# Altium PCB CT310高端控制盒核心板电路V1.3.PcbDoc (part 9 of 10) (continued)
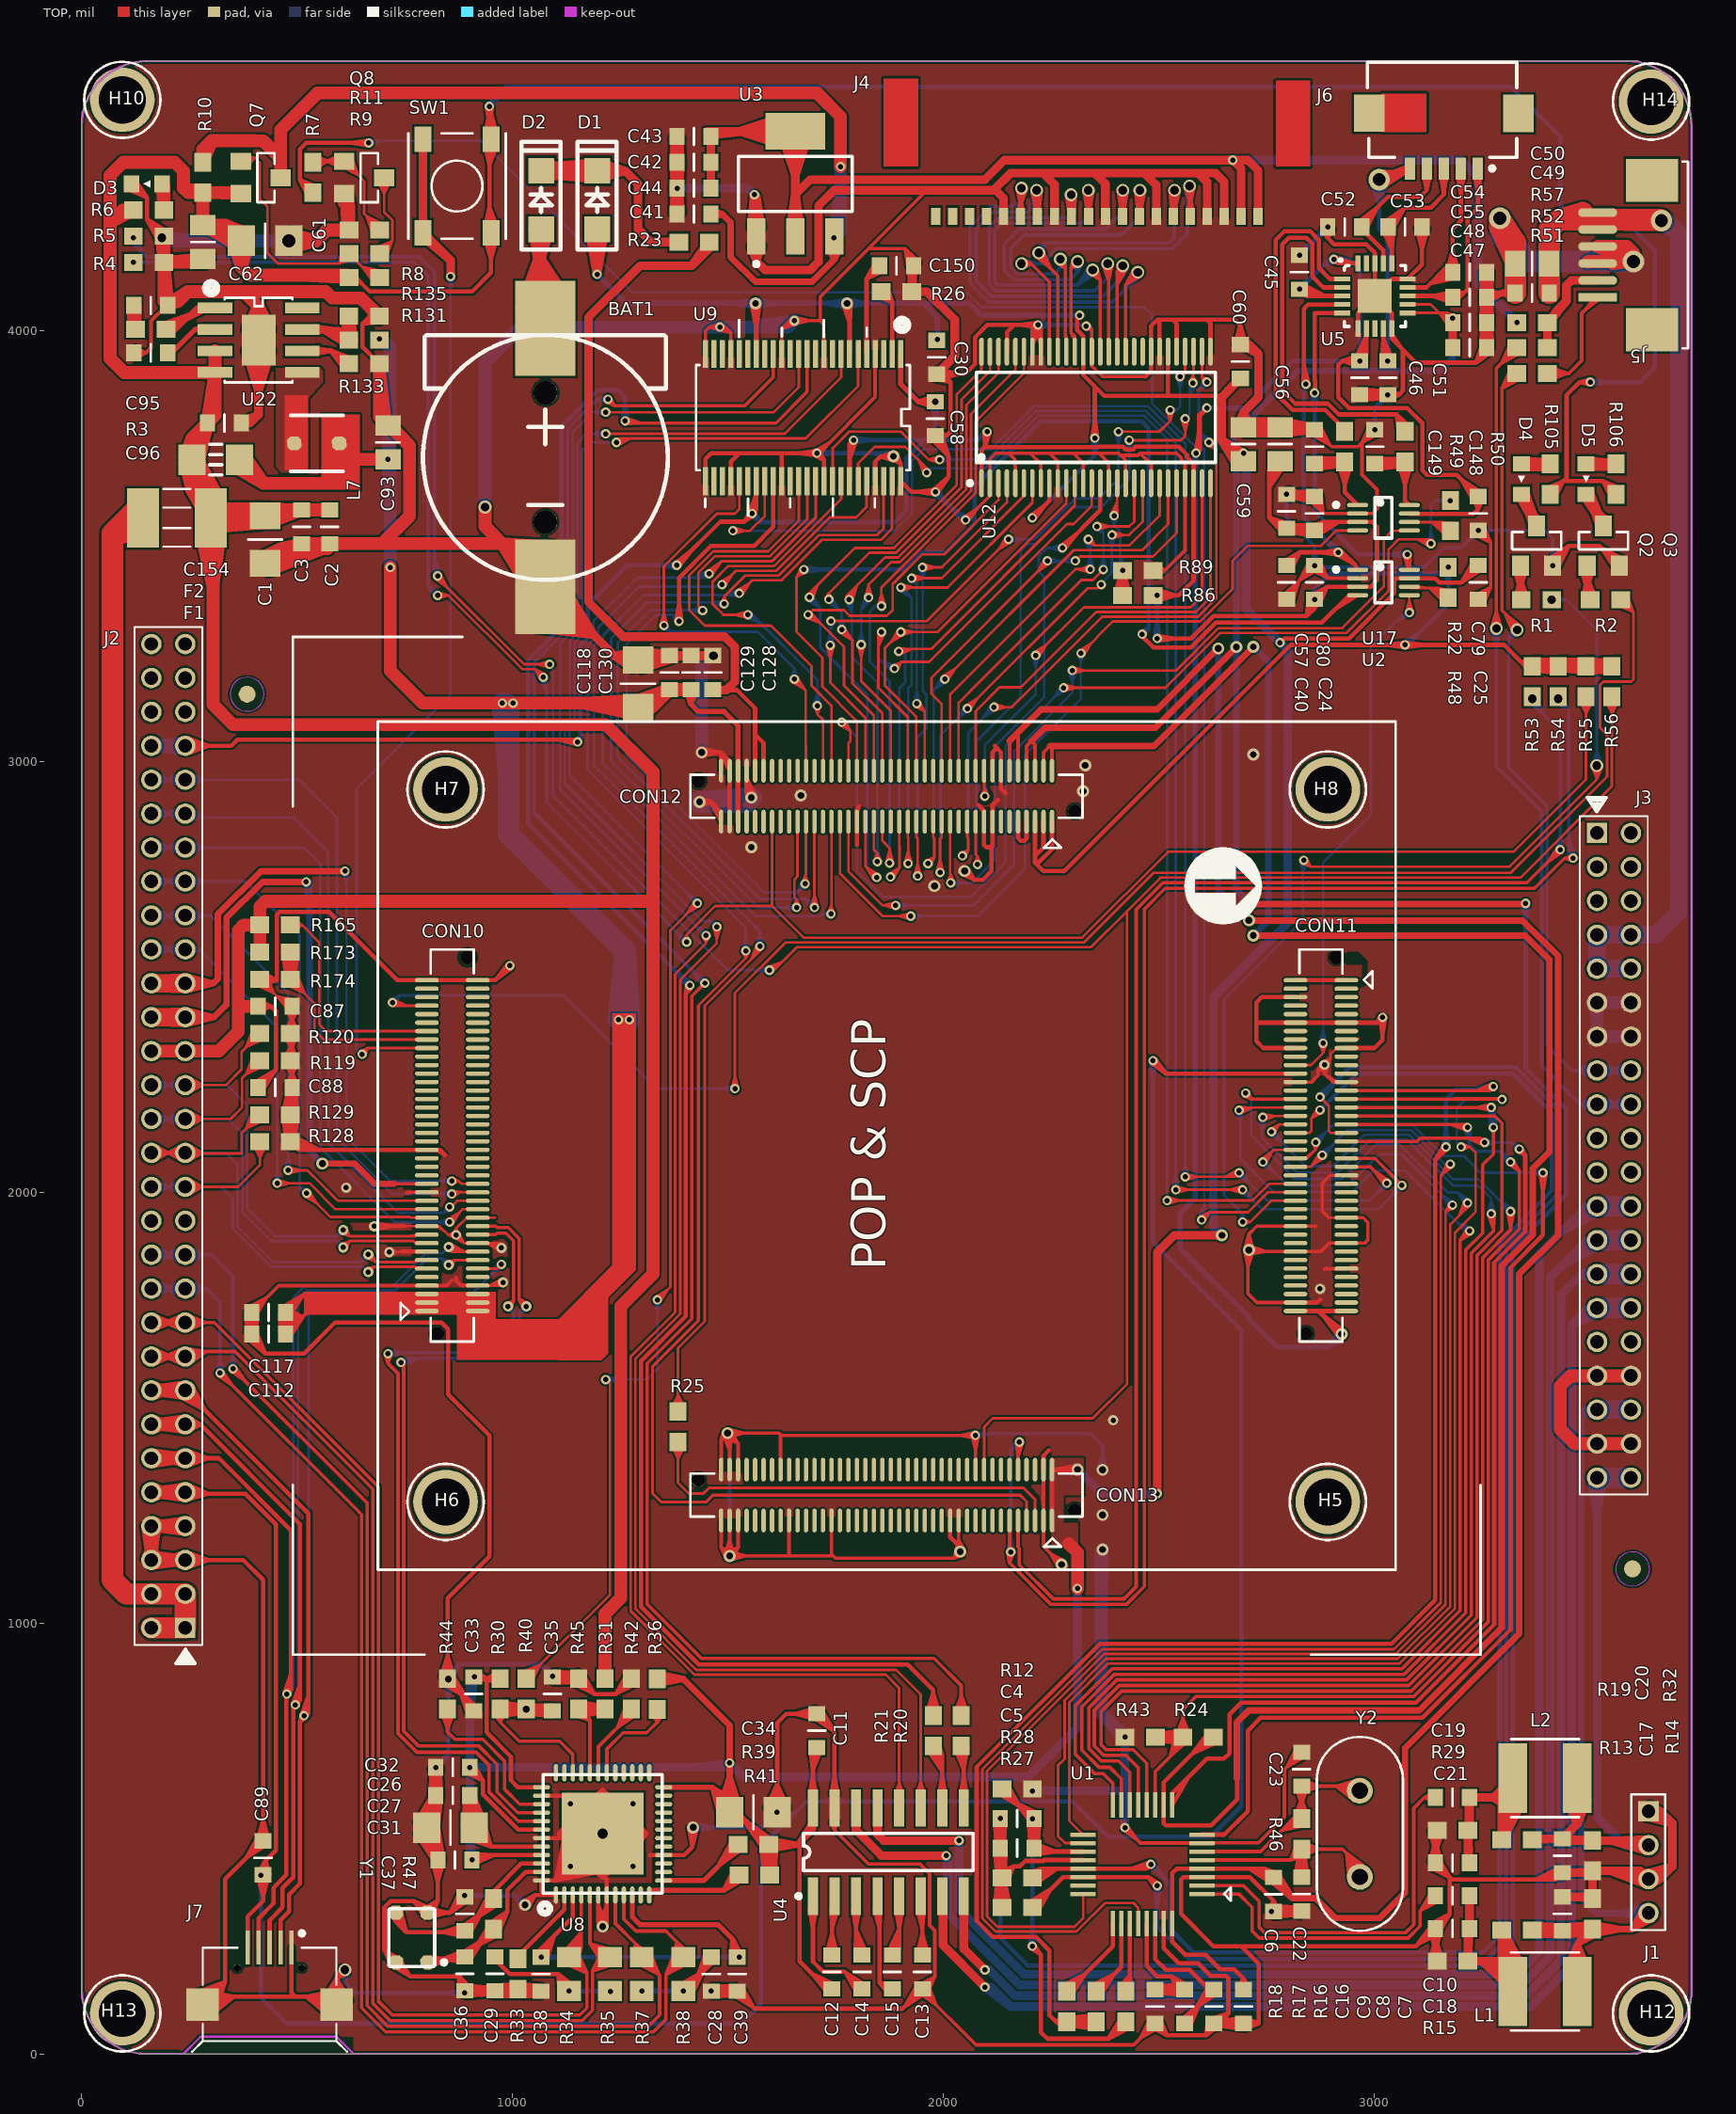
[diagram p0: TOP view]
## Nets (pads, with @x,y where several pads share a name; then routed paths per layer and width w, separated by ;. In a path a pad name is that pad's centre, name@x,y a point inside that pad or via, vN(x,y) a via of type N, cw(c..) or ccw(c..) an arc to the next point about the centre after c; other vN are vias at no path point) (continued)
XMMC2CMD: CON10.23 J2.45 J2.46 | length 2179.2
  TOP w6: v2@516.67,1991.28 545.34,1973.84 v2@527.9,2002.51 ; v2(521.61,1997.57) 576.93,1942.25 761.98,1942.25 763.66,1940.58 ; CON10.23@778.16,1940.58 763.66,1940.58 ; CON10.23@800.66,1940.58 763.66,1940.58
  BOTTOM w6: J2.46@161.39,2720.92 J2.45@240.13,2720.92 379.84,2720.92 505.61,2595.15 505.61,2013.57 ; J2.46@162.28,2712.34 203.01,2720.92 ; J2.46@162.28,2729.5 203.01,2720.92 ; J2.46@163.96,2706.53 203.01,2720.92 ; J2.46@163.96,2735.31 203.01,2720.92 ; J2.46@166.5,2700.94 203.01,2720.92 ; J2.46@166.5,2740.9 203.01,2720.92 ; J2.45@235.02,2700.94 198.51,2720.92 ; J2.45@235.02,2740.9 198.51,2720.92 ; J2.45@237.56,2706.53 198.51,2720.92 ; J2.45@237.56,2735.31 198.51,2720.92 ; J2.45@239.24,2712.34 198.51,2720.92 ; J2.45@239.24,2729.5 198.51,2720.92 ; J2.45@241.02,2712.34 281.75,2720.92 ; J2.45@241.02,2729.5 281.75,2720.92 ; J2.45@242.7,2706.53 281.75,2720.92 ; J2.45@242.7,2735.31 281.75,2720.92 ; J2.45@245.24,2700.94 281.75,2720.92 ; J2.45@245.24,2740.9 281.75,2720.92 ; v2@515.05,1993 505.61,2013.57 ; v2(521.61,1997.57) 505.61,2013.57 ; v2@526.18,2004.14 505.61,2013.57
XMMC2DATA0: CON10.28 J2.49 J2.50 | length 2436.8
  TOP w6: v2(853.61,1965.57) 856.9,1965.57 871.27,1979.94 CON10.28@918.77,1979.94 ; 873.27,1979.94 CON10.28@896.27,1979.94
  BOTTOM w6: J2.50@161.39,2878.4 J2.49@240.13,2878.4 ; J2.50@162.28,2869.82 203.01,2878.4 ; J2.50@162.28,2886.98 203.01,2878.4 ; J2.50@163.96,2864.01 203.01,2878.4 ; J2.50@163.96,2892.79 203.01,2878.4 ; J2.50@166.5,2858.42 203.01,2878.4 ; J2.50@166.5,2898.38 203.01,2878.4 ; J2.49@235.02,2858.42 198.51,2878.4 ; J2.49@235.02,2898.38 198.51,2878.4 ; J2.49@237.56,2864.01 198.51,2878.4 ; J2.49@237.56,2892.79 198.51,2878.4 ; J2.49@239.24,2869.82 198.51,2878.4 ; J2.49@239.24,2886.98 198.51,2878.4 ; J2.49@239.33,2869.82 283.55,2870 ; J2.49@239.76,2863.78 283.55,2870 ; J2.49@241.04,2857.8 283.55,2870 ; J2.49@242.59,2886.67 283.55,2870 ; J2.49@245.24,2892.1 283.55,2870 ; J2.49@248.66,2897.18 283.55,2870 ; v2@846.89,1969.91 840.18,1952.13 ; v2@857.95,1958.85 840.18,1952.13 ; J2.49@240.13,2878.4 248.53,2870 490.76,2870 571.61,2789.15 571.61,2114.57 734.05,1952.13 840.18,1952.13 ; J2.49@240.13,2878.4 283.55,2870 ; 840.18,1952.13 v2(853.61,1965.57) 840.18,1952.13
XMMC2DATA1: CON10.30 J2.51 J2.52 | length 2483.9
  TOP w6: v2@858.25,2003.56 880.61,2000.57 ; v2@861.74,1988.21 880.61,2000.57 ; CON10.30@896.27,1999.62 881.56,1999.62 ; CON10.30@918.77,1999.62 881.56,1999.62 ; 880.61,2000.57 881.56,1999.62 ; 880.61,2000.57 863.61,2000.57 v2(858.61,1995.57) 880.61,2000.57
  BOTTOM w6: J2.52@161.39,2957.14 J2.51@240.13,2957.14 503.62,2957.14 591.76,2869 591.76,2124.42 720.61,1995.57 v2(858.61,1995.57) ; J2.52@162.28,2948.56 203.01,2957.14 ; J2.52@162.28,2965.72 203.01,2957.14 ; J2.52@163.96,2942.75 203.01,2957.14 ; J2.52@163.96,2971.53 203.01,2957.14 ; J2.52@166.5,2937.16 203.01,2957.14 ; J2.52@166.5,2977.12 203.01,2957.14 ; J2.51@235.02,2937.16 198.51,2957.14 ; J2.51@235.02,2977.12 198.51,2957.14 ; J2.51@237.56,2942.75 198.51,2957.14 ; J2.51@237.56,2971.53 198.51,2957.14 ; J2.51@239.24,2948.56 198.51,2957.14 ; J2.51@239.24,2965.72 198.51,2957.14 ; J2.51@241.02,2948.56 281.75,2957.14 ; J2.51@241.02,2965.72 281.75,2957.14 ; J2.51@242.7,2942.75 281.75,2957.14 ; J2.51@242.7,2971.53 281.75,2957.14 ; J2.51@245.24,2937.16 281.75,2957.14 ; J2.51@245.24,2977.12 281.75,2957.14 ; v2@857.51,1987.65 829.61,1995.57 v2@857.51,2003.49
XMMC2DATA2: CON10.25 J2.41 J2.42 | length 1921.8
  TOP w6: v2(453.61,2020.57) 528.61,2020.57 588.93,1960.25 CON10.25@800.66,1960.25 ; v2@454.72,2012.65 482.61,2020.57 v2@454.72,2028.49 ; 755.16,1960.25 CON10.25@778.16,1960.25
  BOTTOM w6: J2.42@161.39,2563.44 J2.41@240.13,2563.44 272.32,2563.44 ; J2.42@162.28,2554.86 203.01,2563.44 ; J2.42@162.28,2572.02 203.01,2563.44 ; J2.42@163.96,2549.04 203.01,2563.44 ; J2.42@163.96,2577.83 203.01,2563.44 ; J2.42@166.5,2543.46 203.01,2563.44 ; J2.42@166.5,2583.42 203.01,2563.44 ; J2.41@235.02,2543.46 198.51,2563.44 ; J2.41@235.02,2583.42 198.51,2563.44 ; J2.41@237.56,2549.04 198.51,2563.44 ; J2.41@237.56,2577.83 198.51,2563.44 ; J2.41@239.24,2554.86 198.51,2563.44 ; J2.41@239.24,2572.02 198.51,2563.44 ; J2.41@241.28,2554.9 272.32,2563.44 ; J2.41@241.28,2571.98 272.32,2563.44 ; J2.41@243.45,2549.2 272.32,2563.44 ; J2.41@243.45,2577.68 272.32,2563.44 ; J2.41@246.74,2543.9 272.32,2563.44 ; J2.41@246.74,2582.97 272.32,2563.44 ; v2@445.73,2021.93 453.61,2044.19 ; v2(453.61,2020.57) 453.61,2044.19 ; v2@461.5,2021.93 453.61,2044.19 ; 272.32,2563.44 453.42,2382.34 453.42,2044.38 453.61,2044.19
XMMC2DATA3: CON10.27 J2.43 J2.44 | length 2042.9
  TOP w6: v2(478.61,2050.57) 523.61,2050.57 535.61,2038.57 536.07,2038.57 594.7,1979.94 CON10.27@800.66,1979.94 ; v2@479.72,2042.65 507.61,2050.57 v2@479.72,2058.49 ; 755.16,1979.94 CON10.27@778.16,1979.94
  BOTTOM w6: J2.44@161.39,2642.18 J2.43@240.13,2642.18 298.58,2642.18 345.76,2595 478.61,2462.15 v2(478.61,2050.57) ; J2.44@162.28,2633.6 203.01,2642.18 ; J2.44@162.28,2650.76 203.01,2642.18 ; J2.44@163.96,2627.78 203.01,2642.18 ; J2.44@163.96,2656.57 203.01,2642.18 ; J2.44@166.5,2622.2 203.01,2642.18 ; J2.44@166.5,2662.16 203.01,2642.18 ; J2.43@235.02,2622.2 198.51,2642.18 ; J2.43@235.02,2662.16 198.51,2642.18 ; J2.43@237.56,2627.78 198.51,2642.18 ; J2.43@237.56,2656.57 198.51,2642.18 ; J2.43@239.24,2633.6 198.51,2642.18 ; J2.43@239.24,2650.76 198.51,2642.18 ; J2.43@241.02,2633.6 281.75,2642.18 ; J2.43@241.02,2650.76 281.75,2642.18 ; J2.43@242.7,2627.78 281.75,2642.18 ; J2.43@242.7,2656.57 281.75,2642.18 ; J2.43@245.24,2622.2 281.75,2642.18 ; J2.43@245.24,2662.16 281.75,2642.18 ; v2@470.69,2051.67 478.61,2079.57 v2@486.54,2051.67
XNRESET_EXT: CON10.61
XNRSOUT: CON10.64
XNWRESET: CON10.62
XOM2: CON13.9 R53.2 | length 3764
  TOP w8: 2172.71,1186.31 CON13.9@2172.71,1215.31 ; CON13.9@2172.71,1237.81 2172.71,1176.34 2175.76,1173.28 2175.76,1135 2254.76,1056 2418.38,1056 2446.76,1084.38 2446.76,2656 2508.76,2718 3353.76,2718 v1(3430.76,2795) 3402.79,2767.03 ; v1@3425.39,2799.49 3402.79,2767.03 ; v1@3435.25,2789.63 3402.79,2767.03
  BOTTOM w8: v4@3357.72,3137.5 3392.58,3108.18 ; v4@3375.37,3150.36 3392.58,3108.18 ; v1@3423.8,2795.7 3430.76,2830 v1@3437.72,2795.7 ; v1(3430.76,2795) 3430.76,3070 3365.76,3135 v4(3365.76,3145) 3392.58,3108.18
XOM3: CON13.10 CON13.11 R54.2 | length 4576
  TOP w8: v1@2148.76,1164.79 2153.02,1139.36 ; 2153.02,1186.31 CON13.11@2153.02,1215.31 ; CON13.11@2153.02,1237.81 2153.02,1139.36 ; v1(2155.76,1165) 2153.02,1139.36 ; v1@2162.55,1163.32 2153.02,1139.36 ; v1@2168.76,1419.75 2172.71,1407.43 ; CON13.10@2172.71,1355.93 2172.71,1416.95 v1(2175.76,1420) ; CON13.10@2172.71,1378.43 2172.71,1407.43 ; v1@2181.86,1416.57 2172.71,1407.43 ; v1@3459.53,2768.11 3440.76,2775 ; v1@3459.53,2781.89 3440.76,2775 ; 2153.02,1139.36 2249.38,1043 2423.76,1043 2465.76,1085 2465.76,2656.62 2514.14,2705 3370.76,2705 3440.76,2775 ; 2172.71,1384.61 2182.64,1418.71 2172.71,1384.77 ; 2172.71,1384.61 2168.76,1419.91 2172.71,1384.77 ; 2172.71,1384.61 v1(2175.76,1420) ; 2172.71,1384.77 v1(2175.76,1420) ; 2172.71,1407.43 v1(2175.76,1420) ; 3440.76,2775 v1(3460.76,2775) 3440.76,2775
  BOTTOM w8: v1@2148.8,1165.7 2155.76,1200 v1@2162.72,1165.7 ; v1(2155.76,1165) 2155.76,1400 ; v1@2170.24,1424.3 2155.76,1400 ; v1(2175.76,1420) 2155.76,1400 ; v1@2180.06,1414.48 2155.76,1400 ; v4@3419.29,3136.11 3450.76,3120 ; v4(3425.76,3145) 3450.76,3120 ; v4@3434.65,3151.47 3450.76,3120 ; v1@3453.84,2773.98 3450.76,2818.73 ; v1@3467.44,2777.09 3450.76,2818.73 ; 3450.76,2818.73 v1(3460.76,2775) 3450.76,2785 3450.76,3120
XPWMTOUT1: CON13.5 R25.2 | length 1307.8
  TOP w6: R25.2@1367.34,1414.48 1383.61,1380.48 ; R25.2@1373.04,1416.65 1383.61,1380.48 ; R25.2@1378.94,1417.88 1383.61,1380.48 ; R25.2@1383.61,1418.17 1383.61,1380.48 ; R25.2@1383.61,1439.07 1383.61,1325.57 1408.61,1300.57 ; R25.2@1388.29,1417.88 1383.61,1380.48 ; R25.2@1394.19,1416.65 1383.61,1380.48 ; R25.2@1399.88,1414.48 1383.61,1380.48
  TOP w7: 1408.61,1300.57 1442.61,1300.57 1455.61,1313.57 2185.61,1313.57 2212.08,1287.11 CON13.5@2212.08,1237.81 ; CON13.5@2212.08,1260.31 2212.08,1286.31
XSPICLK0/I2C_4_SDA: CON11.73
XSPICSN0/I2C_4_SCL: CON11.76
XTAL1: C22.1 R46.2 U1.5 Y2.2 | length 3178.7
  TOP w8: U1.5@2599.36,449.84 2805.41,449.84 ; U1.5@2623.97,449.84 2652.89,449.84 ; C22.1@2815.07,410 2821.94,452.92 ; C22.1@2815.17,411.57 2826.74,452.12 ; R46.2@2815.33,470.41 2830.76,429.54 ; R46.2@2817.78,482.04 2805.41,449.84 ; C22.1@2819.32,412.89 2834.78,452.12 ; C22.1@2819.69,414.27 2839.58,452.92 ; C22.1@2823.08,410.11 2826.74,452.12 ; C22.1@2823.1,409.47 2821.94,452.92 ; R46.2@2823.1,472.55 2830.76,429.54 ; R46.2@2824.95,478.26 2805.41,449.84 ; C22.1@2827.05,410.66 2834.78,452.12 ; C22.1@2827.16,411.27 2839.58,452.92 ; R46.2@2831.44,467.54 2874.45,475.2 ; R46.2@2831.44,482.85 2874.45,475.2 ; R46.2@2833.58,459.77 2874.45,475.2 ; R46.2@2833.58,490.63 2874.45,475.2 ; C22.1@2834.36,411.27 2821.94,452.92 ; C22.1@2834.47,410.66 2826.74,452.12 ; R46.2@2835.31,467.03 2805.41,449.84 ; C22.1@2838.42,409.47 2839.58,452.92 ; R46.2@2838.42,472.55 2830.76,429.54 ; C22.1@2838.44,410.11 2834.78,452.12 ; R46.2@2838.49,459.58 2805.41,449.84 ; C22.1@2841.83,414.27 2821.94,452.92 ; C22.1@2842.2,412.89 2826.74,452.12 ; R46.2@2846.19,470.41 2830.76,429.54 ; C22.1@2846.35,411.57 2834.78,452.12 ; C22.1@2846.44,410 2839.58,452.92 ; Y2.2@2940.93,402.91 2935,465.76 ; Y2.2@2948.95,404.19 2935,465.76 ; Y2.2@2956.67,406.46 2935,465.76 ; Y2.2@2974.08,416.18 2935,465.76 ; Y2.2@2980.07,421.55 2935,465.76 ; Y2.2@2985.37,427.7 2935,465.76 ; 2805.41,449.84 R46.2@2830.76,475.2 ; 2805.41,449.84 2830.76,473.23 2830.76,429.54 ; C22.1@2817.92,414.81 2830.76,429.54 ; C22.1@2817.92,414.81 2830.76,429.54 ; C22.1@2817.92,414.81 2830.76,429.54 ; C22.1@2817.92,414.81 2830.76,429.54 ; C22.1@2817.92,414.81 2830.76,429.54 ; 2821.94,452.92 2828.79,410 2826.74,452.12 ; C22.1@2825.1,410.84 2830.76,429.54 ; C22.1@2825.1,410.84 2830.76,429.54 ; C22.1@2825.1,410.84 2830.76,429.54 ; C22.1@2825.1,410.84 2830.76,429.54 ; C22.1@2825.1,410.84 2830.76,429.54 ; C22.1@2830.76,410 R46.2@2830.76,475.2 ; C22.1@2830.76,410 2830.76,429.54 ; C22.1@2830.76,410 2830.76,429.54 ; C22.1@2830.76,410 2830.76,429.54 ; C22.1@2830.76,410 2830.76,429.54 ; 2830.76,429.54 C22.1@2843.6,414.81 ; 2830.76,429.54 C22.1@2836.41,410.84 ; 2830.76,429.54 C22.1@2843.6,414.81 ; 2830.76,429.54 C22.1@2836.41,410.84 ; 2830.76,429.54 C22.1@2843.6,414.81 ; 2830.76,429.54 C22.1@2836.41,410.84 ; 2830.76,429.54 C22.1@2843.6,414.81 ; 2830.76,429.54 C22.1@2836.41,410.84 ; 2830.76,429.54 C22.1@2843.6,414.81 ; 2830.76,429.54 C22.1@2836.41,410.84 ; 2830.76,451.72 2817.23,412.26 2830.76,451.72 ; 2830.76,451.72 2844.29,412.26 2830.76,451.72 ; 2830.76,451.72 2825.06,410.39 2830.76,451.72 ; 2830.76,451.72 2836.46,410.39 2830.76,451.72 ; R46.2@2830.76,475.2 2925.56,475.2 2965.76,435 Y2.2@2965.76,410.63 2935,465.76 ; 2834.78,452.12 2832.73,410 2839.58,452.92
XTAL2: C23.2 R46.1 U1.6 Y2.1 | length 1766.7
  TOP w8: U1.6@2599.36,469.53 2735.29,469.53 2811.82,546.06 R46.1@2830.76,546.06 C23.2@2830.76,621.26 2955.13,621.26 Y2.1@2965.76,610.63 2910.07,621.26 ; U1.6@2623.97,469.53 2652.89,469.53 ; R46.1@2815.33,550.85 2830.76,591.72 ; C23.2@2817.23,619 2830.76,579.54 ; R46.1@2821.22,556.55 2783.68,517.92 ; R46.1@2823.1,548.71 2830.76,591.72 ; C23.2@2825.06,620.87 2830.76,579.54 ; R46.1@2826.56,550.53 2783.68,517.92 ; R46.1@2830.76,544.09 2783.68,517.92 ; R46.1@2830.76,548.03 2830.76,591.72 ; C23.2@2832.73,621.26 2874.45,621.26 ; C23.2@2833.12,615.56 2874.45,621.26 ; C23.2@2833.12,626.96 2874.45,621.26 ; R46.1@2834.01,537.13 2783.68,517.92 ; C23.2@2834.98,607.73 2874.45,621.26 ; C23.2@2834.98,634.79 2874.45,621.26 ; R46.1@2836.3,529.42 2783.68,517.92 ; C23.2@2836.46,620.87 2830.76,579.54 ; R46.1@2838.42,548.71 2830.76,591.72 ; C23.2@2844.29,619 2830.76,579.54 ; R46.1@2846.19,550.85 2830.76,591.72 ; Y2.1@2955.16,586.89 2910.07,621.26 ; Y2.1@2959.62,593.71 2910.07,621.26 ; Y2.1@2963.03,601.01 2910.07,621.26 ; Y2.1@2964.65,636.61 2910.07,621.26 ; Y2.1@2966.29,628.62 2910.07,621.26 ; Y2.1@2966.76,620.58 2910.07,621.26
XUCTS1: CON12.65
XUCTSN0: CON10.46
XUCTSN2/I2C_3_SDA: CON12.51 U17.4 | length 2273.8
  TOP w6: 1759.32,2814.36 CON12.51@1759.32,2837.36 ; CON12.51@1759.32,2859.86 1759.32,2739.87 1858.61,2640.57 v2(1923.61,2640.57) ; v2@1922.51,2632.65 1894.61,2640.57 v2@1922.51,2648.49 ; v2@2313.81,3256.72 2342.48,3274.16 v2@2325.05,3245.49 ; v2(2318.76,3250.43) 2392.64,3324.31 2594.92,3324.31 2670.76,3400.15 2670.76,3465 2705.76,3500 2875.76,3500 2911.23,3535.47 U17.4@2960.72,3535.47 ; 2918.11,3535.47 U17.4@2941.04,3535.47
  BOTTOM w6: v2(1923.61,2640.57) 2078.61,2640.57 2188.61,2750.57 2188.61,3015.57 2318.61,3145.57 2318.61,3231.28 2318.76,3231.43 ; v2@1924.72,2632.65 1952.61,2640.57 v2@1924.72,2648.49 ; v2@2310.94,3248.74 2318.76,3231.43 ; v2@2326.58,3248.74 2318.76,3231.43 ; 2318.76,3231.43 v2(2318.76,3250.43) 2318.76,3231.43
XUHOSTDATA0: CON10.77
XUHOSTDATA1_EXT: CON10.9
XUHOSTSTROBE0: CON10.78
XUHOSTSTROBE1_EXT: CON10.10
XUOTGDM: CON10.16 J2.11 J2.12 J7.2 | length 5757.4
  TOP w7: v5@849.86,1864.15 887.22,1861.83 ; v5(851.35,1872.52) 887.22,1861.83 ; v5@854.69,1880.34 887.22,1861.83 ; 858.35,1861.83 CON10.16@918.77,1861.83 ; 870.27,1861.83 CON10.16@896.27,1861.83
  TOP w10: J2.12@160.37,1373.78 216.35,1371.48 ; J2.12@160.37,1390.9 216.35,1393.2 ; J2.12@160.87,1363.72 216.35,1371.48 ; J2.12@160.87,1400.95 216.35,1393.2 ; J2.12@161.33,1373.72 215.4,1377.65 ; J2.12@161.33,1390.96 215.4,1387.03 ; J2.12@162.82,1373.83 215.4,1387.03 ; J2.12@162.82,1390.84 215.4,1377.65 ; J2.12@162.99,1363.78 215.4,1377.65 ; J2.12@162.99,1400.89 215.4,1387.03 ; J2.12@163.71,1374.03 216.35,1393.2 ; J2.12@163.71,1390.64 216.35,1371.48 ; J2.12@166.16,1364.34 215.4,1387.03 ; J2.12@166.16,1400.34 215.4,1377.65 ; J2.12@167.99,1364.92 216.35,1393.2 ; J2.12@167.99,1399.75 216.35,1371.48 ; J2.11@236.9,1364 186.51,1382.34 ; J2.11@236.9,1400.68 186.51,1382.34 ; J2.11@239.44,1373.74 186.51,1382.34 ; J2.11@239.44,1390.93 186.51,1382.34 ; J2.11@240.82,1373.74 293.75,1382.34 ; J2.11@240.82,1390.93 293.75,1382.34 ; J2.11@243.36,1364 293.75,1382.34 ; J2.11@243.36,1400.68 293.75,1382.34 ; J7.2@410.17,246.65 410.17,314.41 ; J7.2@410.17,281.1 410.17,314.41 ; v1@470,836.69 485.76,879.67 ; v1@481.69,834.08 485.76,879.67 ; J2.12@161.39,1382.34 J2.11@240.13,1382.34 ; J2.12@161.39,1382.34 216.35,1371.48 ; J2.12@161.39,1382.34 186.51,1382.34 ; J2.12@161.39,1382.34 215.4,1377.65 ; J2.12@161.39,1382.34 186.51,1382.34 ; J2.12@161.39,1382.34 215.4,1387.03 ; J2.12@161.39,1382.34 186.51,1382.34 ; J2.12@161.39,1382.34 216.35,1393.2 ; J2.12@161.39,1382.34 186.51,1382.34 ; J2.12@162.87,1373.84 186.51,1382.34 ; J2.12@162.87,1373.84 186.51,1382.34 ; J2.12@162.87,1373.84 186.51,1382.34 ; J2.12@162.87,1373.84 186.51,1382.34 ; J2.12@162.87,1373.84 186.51,1382.34 ; J2.12@162.87,1390.83 186.51,1382.34 ; J2.12@162.87,1390.83 186.51,1382.34 ; J2.12@162.87,1390.83 186.51,1382.34 ; J2.12@162.87,1390.83 186.51,1382.34 ; J2.12@162.87,1390.83 186.51,1382.34 ; J2.12@168.29,1365.04 186.51,1382.34 ; J2.12@168.29,1365.04 186.51,1382.34 ; J2.12@168.29,1365.04 186.51,1382.34 ; J2.12@168.29,1365.04 186.51,1382.34 ; J2.12@168.29,1365.04 186.51,1382.34 ; J2.12@168.29,1399.63 186.51,1382.34 ; J2.12@168.29,1399.63 186.51,1382.34 ; J2.12@168.29,1399.63 186.51,1382.34 ; J2.12@168.29,1399.63 186.51,1382.34 ; J2.12@168.29,1399.63 186.51,1382.34 ; 186.51,1382.34 J2.11@240.13,1382.34 ; 215.01,1382.34 164.62,1400.68 215.01,1382.34 ; 215.01,1382.34 164.62,1364 215.01,1382.34 ; 215.01,1382.34 162.08,1390.93 215.01,1382.34 ; 215.01,1382.34 162.08,1373.74 215.01,1382.34 ; J2.11@240.13,1382.34 318.42,1382.34 485.76,1215 485.76,845 v1(475.76,835) ; 410.17,314.41 444.6,348.84 444.6,385.05 474.76,415.21 474.76,834 v1(475.76,835) ; v1(475.76,835) 485.76,879.67
  BOTTOM w6: v1@471.27,841.62 490.76,850 ; v1(475.76,835) 490.76,850 ; v1@482.38,830.51 490.76,850 ; v5(851.35,1872.52) 840.51,1861.68 840.34,1861.68 836.23,1857.57 797.61,1857.57 722.61,1782.57 518.33,1782.57 490.76,1755 490.76,850
XUOTGDP: CON10.14 J2.13 J2.14 J7.3 | length 5502.7
  TOP w7: v5@847.65,1838.57 864.79,1842.15 ; v5@858.22,1825.92 864.79,1842.15 ; 870.27,1842.15 CON10.14@896.27,1842.15 ; CON10.14@918.77,1842.15 864.79,1842.15 ; 864.79,1842.15 853.56,1830.92 v5(851.35,1830.92) 864.79,1842.15
  TOP w10: J2.14@161.39,1461.08 J2.13@240.13,1461.08 ; J2.14@162.08,1452.48 215.01,1461.08 ; J2.14@162.08,1469.67 215.01,1461.08 ; J2.14@164.62,1442.74 215.01,1461.08 ; J2.14@164.62,1479.42 215.01,1461.08 ; J2.13@233.53,1443.66 185.17,1471.94 ; J2.13@233.53,1478.49 185.17,1450.22 ; J2.13@235.36,1443.08 186.12,1465.77 ; J2.13@235.36,1479.08 186.12,1456.39 ; J2.13@236.9,1442.74 186.51,1461.08 ; J2.13@236.9,1479.42 186.51,1461.08 ; J2.13@237.81,1452.77 185.17,1471.94 ; J2.13@237.81,1469.38 185.17,1450.22 ; J2.13@238.53,1442.52 186.12,1456.39 ; J2.13@238.53,1479.63 186.12,1465.77 ; J2.13@238.7,1452.57 186.12,1465.77 ; J2.13@238.7,1469.58 186.12,1456.39 ; J2.13@239.44,1452.48 186.51,1461.08 ; J2.13@239.44,1469.67 186.51,1461.08 ; J2.13@240.13,1455.63 J2.13@240.13,1461.08 ; J2.13@240.19,1452.46 186.12,1456.39 ; J2.13@240.19,1469.7 186.12,1465.77 ; J2.13@240.65,1442.46 185.17,1450.22 ; J2.13@240.65,1479.69 185.17,1471.94 ; J2.13@241.15,1452.52 185.17,1450.22 ; J2.13@241.15,1469.64 185.17,1471.94 ; J2.13@241.21,1452.52 274.68,1461.08 ; J2.13@241.21,1469.63 274.68,1461.08 ; J2.13@245.15,1443.14 274.68,1461.08 ; J2.13@245.15,1479.01 274.68,1461.08 ; J7.3@435.76,246.65 435.76,310 ; J7.3@435.76,281.1 435.76,310 ; v1@490,811.69 505.76,854.69 ; v1@501.69,809.08 505.76,854.69 ; 185.17,1450.22 J2.13@240.13,1461.08 ; 185.17,1471.94 J2.13@240.13,1461.08 ; 186.12,1456.39 J2.13@240.13,1461.08 ; 186.12,1465.77 J2.13@240.13,1461.08 ; 186.51,1461.08 J2.13@240.13,1461.08 ; 215.01,1461.08 J2.13@233.23,1443.78 ; 215.01,1461.08 J2.13@233.23,1478.37 ; 215.01,1461.08 J2.13@238.65,1452.58 ; 215.01,1461.08 J2.13@238.65,1469.57 ; 215.01,1461.08 J2.13@240.13,1461.08 ; 215.01,1461.08 J2.13@233.23,1443.78 ; 215.01,1461.08 J2.13@233.23,1478.37 ; 215.01,1461.08 J2.13@238.65,1452.58 ; 215.01,1461.08 J2.13@238.65,1469.57 ; 215.01,1461.08 J2.13@240.13,1461.08 ; 215.01,1461.08 J2.13@233.23,1443.78 ; 215.01,1461.08 J2.13@233.23,1478.37 ; 215.01,1461.08 J2.13@238.65,1452.58 ; 215.01,1461.08 J2.13@238.65,1469.57 ; 215.01,1461.08 J2.13@240.13,1461.08 ; 215.01,1461.08 J2.13@233.23,1443.78 ; 215.01,1461.08 J2.13@233.23,1478.37 ; 215.01,1461.08 J2.13@238.65,1452.58 ; 215.01,1461.08 J2.13@238.65,1469.57 ; 215.01,1461.08 J2.13@240.13,1461.08 ; J2.13@240.13,1461.08 274.68,1461.08 ; 274.68,1461.08 505.76,1230 505.76,820 v1(495.76,810) ; 435.76,310 465.76,340 465.76,385 490.76,410 490.76,805 v1(495.76,810) ; v1(495.76,810) 505.76,854.69
  BOTTOM w6: v1@488.14,812.45 501.76,841.76 ; v1@503.74,809.5 501.76,841.76 ; v5@843.84,1825.96 835.61,1846.57 ; v5@856.27,1838.46 835.61,1846.57 ; 501.76,841.76 v1(495.76,810) 501.76,816 501.76,1750.44 522.89,1771.57 727.17,1771.57 802.17,1846.57 835.61,1846.57 ; 835.61,1846.57 851.26,1830.92 v5(851.35,1830.92) 835.61,1846.57
XUOTGID: CON10.12 J2.15 J2.16 J7.4 | length 5760.2
  TOP w6: CON10.12@918.77,1822.47 963.51,1822.47 ; CON10.12@941.27,1822.47 963.51,1822.47 ; v2(973.61,1832.57) 963.51,1822.47
  TOP w10: J2.16@161.39,1539.82 J2.15@240.13,1539.82 ; J2.16@162.08,1531.22 215.01,1539.82 ; J2.16@162.08,1548.41 215.01,1539.82 ; J2.16@164.62,1521.48 215.01,1539.82 ; J2.16@164.62,1558.16 215.01,1539.82 ; J2.15@229.04,1524.86 284.97,1494.98 ; J2.15@233.53,1522.4 185.17,1550.68 ; J2.15@233.53,1557.23 185.17,1528.96 ; J2.15@234.46,1533.32 284.97,1494.98 ; J2.15@235.36,1521.82 186.12,1544.51 ; J2.15@235.36,1557.82 186.12,1535.13 ; J2.15@236.9,1521.48 186.51,1539.82 ; J2.15@236.9,1558.16 186.51,1539.82 ; J2.15@237.81,1531.51 185.17,1550.68 ; J2.15@237.81,1548.12 185.17,1528.96 ; J2.15@238.53,1521.26 186.12,1535.13 ; J2.15@238.53,1558.37 186.12,1544.51 ; J2.15@238.7,1531.31 186.12,1544.51 ; J2.15@238.7,1548.32 186.12,1535.13 ; J2.15@239.44,1531.22 186.51,1539.82 ; J2.15@239.44,1548.41 186.51,1539.82 ; J2.15@240.19,1531.2 186.12,1535.13 ; J2.15@240.19,1548.44 186.12,1544.51 ; J2.15@240.65,1521.2 185.17,1528.96 ; J2.15@240.65,1558.43 185.17,1550.68 ; J2.15@241.15,1531.26 185.17,1528.96 ; J2.15@241.15,1548.38 185.17,1550.68 ; J2.15@246.63,1545.49 284.97,1494.98 ; J2.15@255.09,1550.91 284.97,1494.98 ; J7.4@461.35,246.65 461.35,310.59 ; J7.4@461.35,281.1 461.35,310.59 ; v1@510,786.69 525.76,829.7 ; v1@510.28,787.45 505.76,770 ; v1@520.13,780.89 505.76,770 ; v1@521.69,784.08 525.76,829.7 ; 185.17,1528.96 J2.15@240.13,1539.82 ; 185.17,1550.68 J2.15@240.13,1539.82 ; 186.12,1535.13 J2.15@240.13,1539.82 ; 186.12,1544.51 J2.15@240.13,1539.82 ; 215.01,1539.82 J2.15@233.23,1522.52 ; 215.01,1539.82 J2.15@233.23,1557.11 ; 215.01,1539.82 J2.15@238.65,1531.32 ; 215.01,1539.82 J2.15@238.65,1548.31 ; 215.01,1539.82 J2.15@240.13,1539.82 ; 215.01,1539.82 J2.15@233.23,1522.52 ; 215.01,1539.82 J2.15@233.23,1557.11 ; 215.01,1539.82 J2.15@238.65,1531.32 ; 215.01,1539.82 J2.15@238.65,1548.31 ; 215.01,1539.82 J2.15@240.13,1539.82 ; 215.01,1539.82 J2.15@233.23,1522.52 ; 215.01,1539.82 J2.15@233.23,1557.11 ; 215.01,1539.82 J2.15@238.65,1531.32 ; 215.01,1539.82 J2.15@238.65,1548.31 ; 215.01,1539.82 J2.15@240.13,1539.82 ; 215.01,1539.82 J2.15@233.23,1522.52 ; 215.01,1539.82 J2.15@233.23,1557.11 ; 215.01,1539.82 J2.15@238.65,1531.32 ; 215.01,1539.82 J2.15@238.65,1548.31 ; 215.01,1539.82 J2.15@240.13,1539.82 ; J2.15@240.13,1539.82 525.76,1254.19 525.76,1231.21 525.76,790 505.76,770 ; 461.35,310.59 480.76,330 480.76,370 505.76,395 505.76,770 ; 505.76,770 v1(515.76,785) 525.76,829.7
  BOTTOM w6: v1@508.47,788.29 526.33,818.17 ; v1@523.61,783.46 526.33,818.17 ; v2@967.32,1837.51 949.89,1808.84 ; v2@978.56,1826.28 949.89,1808.84 ; 526.33,818.17 v1(515.76,785) 526.33,785 526.33,1735.57 876.61,1735.57 v2(973.61,1832.57) 949.89,1808.84
XUOTGVBUS: C89.2 CON11.24 J2.9 J2.10 J7.1 | length 10223.8
  TOP w10: J2.10@161.39,1303.6 J2.9@240.13,1303.6 ; J2.10@162.08,1295 215.01,1303.6 ; J2.10@162.08,1312.19 215.01,1303.6 ; J2.10@164.62,1285.26 215.01,1303.6 ; J2.10@164.62,1321.94 215.01,1303.6 ; J2.9@233.53,1286.18 185.17,1314.46 ; J2.9@233.53,1321.01 185.17,1292.74 ; J2.9@235.36,1285.6 186.12,1308.29 ; J2.9@235.36,1321.6 186.12,1298.91 ; J2.9@236.9,1285.26 186.51,1303.6 ; J2.9@236.9,1321.94 186.51,1303.6 ; J2.9@237.81,1295.29 185.17,1314.46 ; J2.9@237.81,1311.9 185.17,1292.74 ; J2.9@238.53,1285.04 186.12,1298.91 ; J2.9@238.53,1322.15 186.12,1308.29 ; J2.9@238.7,1295.09 186.12,1308.29 ; J2.9@238.7,1312.1 186.12,1298.91 ; J2.9@239.44,1295 186.51,1303.6 ; J2.9@239.44,1312.19 186.51,1303.6 ; J2.9@240.19,1294.98 186.12,1298.91 ; J2.9@240.19,1312.22 186.12,1308.29 ; J2.9@240.24,1294.98 293.97,1300 ; J2.9@240.65,1284.98 185.17,1292.74 ; J2.9@240.65,1322.21 185.17,1314.46 ; J2.9@241.15,1295.04 185.17,1292.74 ; J2.9@241.15,1312.16 185.17,1314.46 ; J2.9@241.39,1312.13 293.97,1300 ; J2.9@242.11,1285.08 293.97,1300 ; J2.9@244.56,1321.69 293.97,1300 ; J7.1@384.58,246.65 384.58,318.82 420.76,355 C89.2@420.76,415.63 ; J7.1@384.58,281.1 384.58,316.02 ; C89.2@408.16,413.94 420.76,367.91 ; C89.2@409.84,414.05 419.58,372.22 ; C89.2@410.6,419.45 426.39,448.46 ; C89.2@421.76,415.12 419.58,372.22 ; C89.2@422.73,415.63 426.39,448.46 ; C89.2@433.36,413.94 420.76,367.91 ; C89.2@435.4,416.68 426.39,448.46 ; v1@2481.87,2300.43 2516.12,2275.21 ; v1(2485.76,2305) 2516.12,2275.21 ; v1@2485.76,2305.57 2516.12,2275.21 ; v1@2490.25,2308.98 2516.12,2275.21 ; 2758.9,2275.21 CON11.24@2793.9,2275.21 ; CON11.24@2816.4,2275.21 2516.12,2275.21 ; 185.17,1292.74 J2.9@240.13,1303.6 ; 185.17,1314.46 J2.9@240.13,1303.6 ; 186.12,1298.91 J2.9@240.13,1303.6 ; 186.12,1308.29 J2.9@240.13,1303.6 ; 186.51,1303.6 J2.9@240.13,1303.6 ; 215.01,1303.6 J2.9@233.23,1286.3 ; 215.01,1303.6 J2.9@233.23,1320.89 ; 215.01,1303.6 J2.9@238.65,1295.1 ; 215.01,1303.6 J2.9@238.65,1312.09 ; 215.01,1303.6 J2.9@240.13,1303.6 ; 215.01,1303.6 J2.9@233.23,1286.3 ; 215.01,1303.6 J2.9@233.23,1320.89 ; 215.01,1303.6 J2.9@238.65,1295.1 ; 215.01,1303.6 J2.9@238.65,1312.09 ; 215.01,1303.6 J2.9@240.13,1303.6 ; 215.01,1303.6 J2.9@233.23,1286.3 ; 215.01,1303.6 J2.9@233.23,1320.89 ; 215.01,1303.6 J2.9@238.65,1295.1 ; 215.01,1303.6 J2.9@238.65,1312.09 ; 215.01,1303.6 J2.9@240.13,1303.6 ; 215.01,1303.6 J2.9@233.23,1286.3 ; 215.01,1303.6 J2.9@233.23,1320.89 ; 215.01,1303.6 J2.9@238.65,1295.1 ; 215.01,1303.6 J2.9@238.65,1312.09 ; 215.01,1303.6 J2.9@240.13,1303.6 ; J2.9@240.13,1303.6 243.73,1300 379.55,1300 450.45,1229.1 450.45,472.51 426.39,448.46 ; J2.9@240.13,1303.6 293.97,1300 ; C89.2@410.22,417.3 426.39,448.46 ; C89.2@410.22,417.3 426.39,448.46 ; C89.2@410.22,417.3 426.39,448.46 ; v1(415.76,415) 419.58,372.22 ; v1(415.76,415) 420.76,373.38 ; v1(415.76,415) 426.39,448.46 ; v1(415.76,415) 420.76,373.3 ; v1(415.76,415) 426.39,448.46 ; v1(415.76,415) 426.39,448.46 ; 420.76,367.91 C89.2@420.76,415.63 ; 420.76,373.3 421.75,415.29 420.76,373.38 ; 420.76,373.3 409.87,413.86 420.76,373.38 ; C89.2@420.76,415.63 426.39,415.63 426.39,448.46 ; C89.2@421.61,413.68 426.39,448.46 ; C89.2@421.61,413.68 426.39,448.46 ; C89.2@421.61,413.68 426.39,448.46
  BOTTOM w10: v1@409.78,414.56 415.76,374 v1@421.74,414.56 ; v1(415.76,415) 415.76,130 475.76,70 1530.76,70 1575.76,115 1575.76,480 1681.19,585.43 2300.33,585.43 2381.76,504 2619.76,504 2690.76,575 2690.76,1680 2485.76,1885 v1(2485.76,2305) ; v1@2479.78,2304.56 2485.76,2264 v1@2491.74,2304.56
XURTS1: CON12.62
XURTSN0: CON10.47
XURTSN2/I2C_3_SCL: CON12.49 U17.5 | length 2372.2
  TOP w6: 1779.01,2814.36 CON12.49@1779.01,2837.36 ; CON12.49@1779.01,2859.86 1779.01,2745.17 1858.61,2665.57 v2(1888.61,2665.57) 1859.61,2665.57 ; v2@1887.51,2657.65 1859.61,2665.57 ; v2@1887.51,2673.49 1859.61,2665.57 ; v2(2298.61,3210.57) 2539.16,3210.57 2637.59,3309 2924.76,3309 3021.76,3406 3021.76,3516 3040.76,3535 ; v2@2299.72,3202.65 2327.61,3210.57 v2@2299.72,3218.49 ; 3040.76,3535 3055.76,3535 3061.11,3535.47 3040.76,3535
  BOTTOM w6: v2(1888.61,2665.57) 2068.61,2665.57 2163.61,2760.57 2163.61,3023.57 2298.61,3158.57 v2(2298.61,3210.57) 2298.61,3181.57 ; v2@1889.72,2657.65 1917.61,2665.57 v2@1889.72,2673.49 ; v2@2290.69,3209.47 2298.61,3181.57 ; v2@2306.54,3209.47 2298.61,3181.57
XURXD0: CON10.44
XURXD1: CON12.60 U9.29 | length 1287.8
  TOP w6: v1@1342.84,3316.1 1350.76,3344 v1@1358.68,3316.1 ; v1(1350.76,3315) 1350.76,3451.87 1473.54,3574.65 1515.41,3574.65 1525.97,3585.21 U9.29@1525.97,3650 ; 1525.97,3599.5 U9.29@1525.97,3623.5 ; v2@1648.67,3184.28 1677.34,3166.84 v2@1659.9,3195.51 ; v2(1653.61,3190.57) 1679.95,3164.24 1679.95,3037.28 1680.58,3036.65 CON12.60@1680.58,2977.98 ; CON12.60@1680.58,3000.48 1680.58,3023.48
  BOTTOM w6: v1@1346.32,3308.34 1365.19,3300.57 ; v1(1350.76,3315) 1365.19,3300.57 ; v1@1357.42,3319.44 1365.19,3300.57 ; v2@1645.72,3191.85 1653.61,3215.57 ; v2(1653.61,3190.57) 1653.61,3215.57 ; v2@1661.51,3191.85 1653.61,3215.57 ; 1365.19,3300.57 1568.61,3300.57 1653.61,3215.57
XURXD2/UART_AUDIO_RXD: CON12.54 U9.36 | length 1125.4
  TOP w6: 1663.77,3599.5 U9.36@1663.77,3623.5 ; U9.36@1663.77,3650 1663.77,3558.01 1592.76,3487 1465.33,3487 1409.76,3431.43 1409.76,3351 1445.76,3315 1599.18,3315 1693.61,3220.57 1693.61,3175.57 1739.64,3129.54 CON12.54@1739.64,2977.98 ; CON12.54@1739.64,3000.48 1739.64,3023.48
XUTXD0: CON10.45
XUTXD1: CON12.63
XUTXD2/UART_AUDIO_TXD: CON12.56 U9.41 | length 1322.2
  TOP w6: v1@1544.66,3332.08 1516.76,3340 v1@1544.66,3347.92 ; v1(1545.76,3340) 1488.89,3340 1463.63,3365.26 1463.63,3416 1500.63,3453 1606.84,3453 1762.19,3608.35 ; v2@1699.15,3127.24 1706.97,3109.93 ; v2@1714.79,3127.24 1706.97,3109.93 ; CON12.56@1719.95,2977.98 1719.95,3096.95 1706.97,3109.93 ; CON12.56@1719.95,3000.48 1719.95,3023.48 ; U9.41@1762.19,3623.5 1762.19,3608.35 ; U9.41@1762.19,3650 1762.19,3608.35 ; 1706.97,3109.93 v2(1706.97,3128.93) 1706.97,3109.93
  BOTTOM w6: v1@1542.11,3332.88 1575.53,3320.23 ; v1(1545.76,3340) 1575.53,3320.23 ; v1@1545.76,3341.47 1554.29,3341.47 1706.97,3188.79 v2(1706.97,3128.93) ; v1@1550.9,3346.13 1575.53,3320.23 ; v2@1699.05,3130.03 1706.97,3157.93 v2@1714.89,3130.03
XVSYS_OE: CON13.39
XVVSYNC_LDI: CON13.34

## Text inside footprints (layer, text, board x,y; h text height)
CON11: PIN_NUMBER "51" at 3014.52,1999.62 h25 r270; PIN_NUMBER "40" at 2696.4,2117.73 h25 r270; PIN_NUMBER "24" at 2696.4,2275.21 h25 r270; PIN_NUMBER "49" at 3014.52,2019.31 h25 r270; PIN_NUMBER "16" at 2696.4,2353.95 h25 r270; PIN_NUMBER "8" at 2706.4,2432.69 h25 r270; PIN_NUMBER "10" at 2696.4,2413.01 h25 r270; PIN_NUMBER "30" at 2696.4,2216.17 h25 r270; PIN_NUMBER "68" at 2696.4,1842.15 h25 r270; PIN_NUMBER "29" at 3014.52,2216.17 h25 r270; PIN_NUMBER "14" at 2696.4,2373.64 h25 r270; PIN_NUMBER "32" at 2696.4,2196.47 h25 r270; PIN_NUMBER "37" at 3014.52,2137.42 h25 r270; PIN_NUMBER "31" at 3014.52,2196.47 h25 r270; PIN_NUMBER "38" at 2696.4,2137.42 h25 r270; PIN_NUMBER "15" at 3014.52,2353.95 h25 r270; PIN_NUMBER "72" at 2696.4,1802.78 h25 r270; PIN_NUMBER "34" at 2696.4,2176.79 h25 r270; PIN_NUMBER "7" at 3024.52,2432.69 h25 r270; PIN_NUMBER "33" at 3014.52,2176.79 h25 r270; PIN_NUMBER "36" at 2696.4,2157.1 h25 r270; PIN_NUMBER "35" at 3014.52,2157.1 h25 r270; PIN_NUMBER "3" at 3024.52,2472.06 h25 r270; PIN_NUMBER "4" at 2706.4,2472.06 h25 r270; PIN_NUMBER "9" at 3024.52,2413.01 h25 r270; PIN_NUMBER "19" at 3014.52,2314.58 h25 r270; PIN_NUMBER "13" at 3014.52,2373.64 h25 r270; PIN_NUMBER "20" at 2696.4,2314.58 h25 r270; PIN_NUMBER "71" at 3014.52,1802.78 h25 r270; PIN_NUMBER "74" at 2696.4,1783.1 h25 r270; PIN_NUMBER "60" at 2696.4,1920.88 h25 r270; PIN_NUMBER "47" at 3014.52,2038.99 h25 r270; PIN_NUMBER "57" at 3014.52,1940.58 h25 r270; PIN_NUMBER "11" at 3014.52,2393.32 h25 r270; PIN_NUMBER "6" at 2706.4,2452.38 h25 r270; PIN_NUMBER "12" at 2696.4,2393.32 h25 r270; PIN_NUMBER "18" at 2696.4,2334.28 h25 r270; PIN_NUMBER "17" at 3014.52,2334.28 h25 r270; PIN_NUMBER "25" at 3014.52,2255.54 h25 r270; PIN_NUMBER "26" at 2696.4,2255.54 h25 r270; PIN_NUMBER "69" at 3014.52,1822.47 h25 r270; PIN_NUMBER "63" at 3014.52,1881.51 h25 r270; PIN_NUMBER "66" at 2696.4,1861.83 h25 r270; PIN_NUMBER "78" at 2696.4,1743.72 h25 r270; PIN_NUMBER "46" at 2696.4,2058.69 h25 r270; PIN_NUMBER "39" at 3014.52,2117.73 h25 r270; PIN_NUMBER "28" at 2696.4,2235.84 h25 r270; PIN_NUMBER "44" at 2696.4,2078.36 h25 r270; PIN_NUMBER "73" at 3014.52,1783.1 h25 r270; PIN_NUMBER "42" at 2696.4,2098.06 h25 r270; PIN_NUMBER "76" at 2696.4,1763.41 h25 r270; PIN_NUMBER "27" at 3014.52,2235.84 h25 r270; PIN_NUMBER "70" at 2696.4,1822.47 h25 r270; PIN_NUMBER "23" at 3014.52,2275.21 h25 r270; PIN_NUMBER "50" at 2696.4,2019.31 h25 r270; PIN_NUMBER "21" at 3014.52,2294.91 h25 r270; PIN_NUMBER "22" at 2696.4,2294.91 h25 r270; PIN_NUMBER "80" at 2696.4,1724.04 h25 r270; PIN_NUMBER "79" at 3014.52,1724.04 h25 r270; PIN_NUMBER "58" at 2696.4,1940.58 h25 r270; PIN_NUMBER "75" at 3014.52,1763.41 h25 r270; PIN_NUMBER "64" at 2696.4,1881.51 h25 r270; PIN_NUMBER "43" at 3014.52,2078.36 h25 r270; PIN_NUMBER "77" at 3014.52,1743.72 h25 r270; PIN_NUMBER "59" at 3014.52,1920.88 h25 r270; PIN_NUMBER "61" at 3014.52,1901.21 h25 r270; PIN_NUMBER "67" at 3014.52,1842.15 h25 r270; PIN_NUMBER "45" at 3014.52,2058.69 h25 r270; PIN_NUMBER "52" at 2696.4,1999.62 h25 r270; PIN_NUMBER "65" at 3014.52,1861.83 h25 r270; PIN_NUMBER "62" at 2696.4,1901.21 h25 r270; PIN_NUMBER "56" at 2696.4,1960.25 h25 r270; PIN_NUMBER "48" at 2696.4,2038.99 h25 r270; PIN_NUMBER "41" at 3014.52,2098.06 h25 r270; PIN_NUMBER "53" at 3014.52,1979.94 h25 r270; PIN_NUMBER "2" at 2706.4,2491.75 h25 r270; PIN_NUMBER "1" at 3024.52,2491.75 h25 r270; PIN_NUMBER "55" at 3014.52,1960.25 h25 r270; PIN_NUMBER "5" at 3024.52,2452.38 h25 r270; PIN_NUMBER "54" at 2696.4,1979.94 h25 r270
CON12: PIN_NUMBER "68" at 1581.84,3077.98 h25 r180; PIN_NUMBER "50" at 1759.01,3077.98 h25 r180; PIN_NUMBER "23" at 2014.91,2759.86 h25 r180; PIN_NUMBER "31" at 1936.17,2759.86 h25 r180; PIN_NUMBER "51" at 1739.32,2759.86 h25 r180; PIN_NUMBER "67" at 1581.84,2759.86 h25 r180; PIN_NUMBER "72" at 1542.47,3077.98 h25 r180; PIN_NUMBER "70" at 1562.16,3077.98 h25 r180; PIN_NUMBER "22" at 2034.6,3077.98 h25 r180; PIN_NUMBER "53" at 1719.64,2759.86 h25 r180; PIN_NUMBER "30" at 1955.86,3077.98 h25 r180; PIN_NUMBER "28" at 1975.54,3077.98 h25 r180; PIN_NUMBER "29" at 1955.86,2759.86 h25 r180; PIN_NUMBER "26" at 1995.23,3077.98 h25 r180; PIN_NUMBER "27" at 1975.54,2759.86 h25 r180; PIN_NUMBER "24" at 2014.91,3077.98 h25 r180; PIN_NUMBER "25" at 1995.23,2759.86 h25 r180; PIN_NUMBER "57" at 1680.27,2759.86 h25 r180; PIN_NUMBER "40" at 1857.43,3077.98 h25 r180; PIN_NUMBER "34" at 1916.49,3077.98 h25 r180; PIN_NUMBER "36" at 1896.8,3077.98 h25 r180; PIN_NUMBER "37" at 1877.12,2759.86 h25 r180; PIN_NUMBER "41" at 1837.75,2759.86 h25 r180; PIN_NUMBER "45" at 1798.38,2759.86 h25 r180; PIN_NUMBER "33" at 1916.49,2759.86 h25 r180; PIN_NUMBER "44" at 1818.06,3077.98 h25 r180; PIN_NUMBER "43" at 1818.06,2759.86 h25 r180; PIN_NUMBER "35" at 1896.8,2759.86 h25 r180; PIN_NUMBER "32" at 1936.17,3077.98 h25 r180; PIN_NUMBER "42" at 1837.75,3077.98 h25 r180; PIN_NUMBER "15" at 2093.65,2759.86 h25 r180; PIN_NUMBER "17" at 2073.97,2759.86 h25 r180; PIN_NUMBER "14" at 2113.34,3077.98 h25 r180; PIN_NUMBER "47" at 1778.69,2759.86 h25 r180; PIN_NUMBER "78" at 1483.42,3077.98 h25 r180; PIN_NUMBER "77" at 1483.42,2759.86 h25 r180; PIN_NUMBER "80" at 1463.73,3077.98 h25 r180; PIN_NUMBER "74" at 1522.79,3077.98 h25 r180; PIN_NUMBER "79" at 1463.73,2759.86 h25 r180; PIN_NUMBER "16" at 2093.65,3077.98 h25 r180; PIN_NUMBER "55" at 1699.95,2759.86 h25 r180; PIN_NUMBER "52" at 1739.32,3077.98 h25 r180; PIN_NUMBER "61" at 1640.9,2759.86 h25 r180; PIN_NUMBER "54" at 1719.64,3077.98 h25 r180; PIN_NUMBER "56" at 1699.95,3077.98 h25 r180; PIN_NUMBER "10" at 2152.71,3077.98 h25 r180; PIN_NUMBER "12" at 2133.02,3077.98 h25 r180; PIN_NUMBER "49" at 1759.01,2759.86 h25 r180; PIN_NUMBER "2" at 2241.45,3077.98 h25 r180; PIN_NUMBER "4" at 2221.76,3077.98 h25 r180; PIN_NUMBER "59" at 1660.58,2759.86 h25 r180; PIN_NUMBER "6" at 2202.08,3077.98 h25 r180; PIN_NUMBER "8" at 2182.39,3077.98 h25 r180; PIN_NUMBER "7" at 2182.39,2759.86 h25 r180; PIN_NUMBER "9" at 2162.71,2759.86 h25 r180; PIN_NUMBER "46" at 1798.38,3077.98 h25 r180; PIN_NUMBER "18" at 2073.97,3077.98 h25 r180; PIN_NUMBER "20" at 2054.28,3077.98 h25 r180; PIN_NUMBER "21" at 2034.6,2759.86 h25 r180; PIN_NUMBER "66" at 1601.53,3077.98 h25 r180; PIN_NUMBER "19" at 2054.28,2759.86 h25 r180; PIN_NUMBER "5" at 2202.08,2759.86 h25 r180; PIN_NUMBER "1" at 2241.45,2759.86 h25 r180; PIN_NUMBER "3" at 2221.76,2759.86 h25 r180; PIN_NUMBER "48" at 1778.69,3077.98 h25 r180; PIN_NUMBER "38" at 1877.12,3077.98 h25 r180; PIN_NUMBER "39" at 1857.43,2759.86 h25 r180; PIN_NUMBER "63" at 1621.21,2759.86 h25 r180; PIN_NUMBER "60" at 1660.58,3077.98 h25 r180; PIN_NUMBER "58" at 1680.27,3077.98 h25 r180; PIN_NUMBER "62" at 1640.9,3077.98 h25 r180; PIN_NUMBER "65" at 1601.53,2759.86 h25 r180; PIN_NUMBER "64" at 1621.21,3077.98 h25 r180; PIN_NUMBER "73" at 1522.79,2759.86 h25 r180; PIN_NUMBER "71" at 1542.47,2759.86 h25 r180; PIN_NUMBER "13" at 2113.34,2759.86 h25 r180; PIN_NUMBER "11" at 2133.02,2759.86 h25 r180; PIN_NUMBER "69" at 1562.16,2759.86 h25 r180; PIN_NUMBER "76" at 1503.1,3077.98 h25 r180; PIN_NUMBER "75" at 1503.1,2759.86 h25 r180
CON13: PIN_NUMBER "45" at 1798.38,1137.81 h25 r180; PIN_NUMBER "65" at 1601.53,1137.81 h25 r180; PIN_NUMBER "69" at 1562.16,1137.81 h25 r180; PIN_NUMBER "74" at 1522.79,1455.93 h25 r180; PIN_NUMBER "51" at 1739.32,1137.81 h25 r180; PIN_NUMBER "71" at 1542.47,1137.81 h25 r180; PIN_NUMBER "54" at 1719.64,1455.93 h25 r180; PIN_NUMBER "70" at 1562.16,1455.93 h25 r180; PIN_NUMBER "39" at 1857.43,1137.81 h25 r180; PIN_NUMBER "21" at 2034.6,1137.81 h25 r180; PIN_NUMBER "67" at 1581.84,1137.81 h25 r180; PIN_NUMBER "5" at 2202.08,1137.81 h25 r180; PIN_NUMBER "41" at 1837.75,1137.81 h25 r180; PIN_NUMBER "50" at 1759.01,1455.93 h25 r180; PIN_NUMBER "49" at 1759.01,1137.81 h25 r180; PIN_NUMBER "6" at 2202.08,1455.93 h25 r180; PIN_NUMBER "19" at 2054.28,1137.81 h25 r180; PIN_NUMBER "34" at 1916.49,1455.93 h25 r180; PIN_NUMBER "32" at 1936.17,1455.93 h25 r180; PIN_NUMBER "53" at 1719.64,1137.81 h25 r180; PIN_NUMBER "63" at 1621.21,1137.81 h25 r180; PIN_NUMBER "75" at 1503.1,1137.81 h25 r180; PIN_NUMBER "79" at 1463.73,1137.81 h25 r180; PIN_NUMBER "77" at 1483.42,1137.81 h25 r180; PIN_NUMBER "20" at 2054.28,1455.93 h25 r180; PIN_NUMBER "66" at 1601.53,1455.93 h25 r180; PIN_NUMBER "76" at 1503.1,1455.93 h25 r180; PIN_NUMBER "78" at 1483.42,1455.93 h25 r180; PIN_NUMBER "23" at 2014.91,1137.81 h25 r180; PIN_NUMBER "25" at 1995.23,1137.81 h25 r180; PIN_NUMBER "4" at 2221.76,1455.93 h25 r180; PIN_NUMBER "3" at 2221.76,1137.81 h25 r180; PIN_NUMBER "80" at 1463.73,1455.93 h25 r180; PIN_NUMBER "7" at 2182.39,1137.81 h25 r180; PIN_NUMBER "8" at 2182.39,1455.93 h25 r180; PIN_NUMBER "12" at 2133.02,1455.93 h25 r180; PIN_NUMBER "14" at 2113.34,1455.93 h25 r180; PIN_NUMBER "18" at 2073.97,1455.93 h25 r180; PIN_NUMBER "17" at 2073.97,1137.81 h25 r180; PIN_NUMBER "15" at 2093.65,1137.81 h25 r180; PIN_NUMBER "13" at 2113.34,1137.81 h25 r180; PIN_NUMBER "9" at 2162.71,1137.81 h25 r180; PIN_NUMBER "10" at 2152.71,1455.93 h25 r180; PIN_NUMBER "11" at 2133.02,1137.81 h25 r180; PIN_NUMBER "73" at 1522.79,1137.81 h25 r180; PIN_NUMBER "68" at 1581.84,1455.93 h25 r180; PIN_NUMBER "26" at 1995.23,1455.93 h25 r180; PIN_NUMBER "55" at 1699.95,1137.81 h25 r180; PIN_NUMBER "28" at 1975.54,1455.93 h25 r180; PIN_NUMBER "57" at 1680.27,1137.81 h25 r180; PIN_NUMBER "59" at 1660.58,1137.81 h25 r180; PIN_NUMBER "61" at 1640.9,1137.81 h25 r180; PIN_NUMBER "47" at 1778.69,1137.81 h25 r180; PIN_NUMBER "58" at 1680.27,1455.93 h25 r180; PIN_NUMBER "60" at 1660.58,1455.93 h25 r180; PIN_NUMBER "56" at 1699.95,1455.93 h25 r180; PIN_NUMBER "62" at 1640.9,1455.93 h25 r180; PIN_NUMBER "64" at 1621.21,1455.93 h25 r180; PIN_NUMBER "44" at 1818.06,1455.93 h25 r180; PIN_NUMBER "43" at 1818.06,1137.81 h25 r180; PIN_NUMBER "48" at 1778.69,1455.93 h25 r180; PIN_NUMBER "72" at 1542.47,1455.93 h25 r180; PIN_NUMBER "46" at 1798.38,1455.93 h25 r180; PIN_NUMBER "52" at 1739.32,1455.93 h25 r180; PIN_NUMBER "30" at 1955.86,1455.93 h25 r180; PIN_NUMBER "16" at 2093.65,1455.93 h25 r180; PIN_NUMBER "22" at 2034.6,1455.93 h25 r180; PIN_NUMBER "24" at 2014.91,1455.93 h25 r180; PIN_NUMBER "1" at 2241.45,1137.81 h25 r180; PIN_NUMBER "2" at 2241.45,1455.93 h25 r180; PIN_NUMBER "38" at 1877.12,1455.93 h25 r180; PIN_NUMBER "37" at 1877.12,1137.81 h25 r180; PIN_NUMBER "27" at 1975.54,1137.81 h25 r180; PIN_NUMBER "33" at 1916.49,1137.81 h25 r180; PIN_NUMBER "40" at 1857.43,1455.93 h25 r180; PIN_NUMBER "31" at 1936.17,1137.81 h25 r180; PIN_NUMBER "35" at 1896.8,1137.81 h25 r180; PIN_NUMBER "36" at 1896.8,1455.93 h25 r180; PIN_NUMBER "42" at 1837.75,1455.93 h25 r180; PIN_NUMBER "29" at 1955.86,1137.81 h25 r180
D1: PIN_NUMBER "2" at 1185.76,4370.49 h25 r270; PIN_NUMBER "1" at 1185.76,4234.51 h25 r270
D2: PIN_NUMBER "2" at 1055.76,4370.49 h25 r270; PIN_NUMBER "1" at 1055.76,4234.51 h25 r270
H5: PIN_NUMBER "1" at 2883.52,1280.91 h20
H6: PIN_NUMBER "1" at 836.26,1280.91 h20
H7: PIN_NUMBER "1" at 836.26,2934.45 h20
H8: PIN_NUMBER "1" at 2883.62,2934.45 h20
H10: PIN_NUMBER "1" at 85.95,4535 h20
H12: PIN_NUMBER "1" at 3633.81,93.95 h20
H13: PIN_NUMBER "1" at 85.95,93.95 h20
H14: PIN_NUMBER "1" at 3633.81,4531.05 h20
L7: PIN_NUMBER "2" at 597.35,3731.55 h15.75; PIN_NUMBER "1" at 493.02,3731.55 h15.75
Q2: PIN_NUMBER "2" at 3403.26,3453.75 h25 r180; PIN_NUMBER "1" at 3328.26,3453.75 h25 r180; PIN_NUMBER "3" at 3366.26,3546.25 h25 r180
Q3: PIN_NUMBER "2" at 3558.26,3453.75 h25 r180; PIN_NUMBER "3" at 3521.26,3546.25 h25 r180; PIN_NUMBER "1" at 3483.26,3453.75 h25 r180
Q7: PIN_NUMBER "2" at 369.19,4307.5 h25 r90; PIN_NUMBER "3" at 461.69,4344.5 h25 r90; PIN_NUMBER "1" at 369.19,4382.5 h25 r90
Q8: PIN_NUMBER "2" at 609.19,4307.5 h25 r90; PIN_NUMBER "1" at 609.19,4382.5 h25 r90; PIN_NUMBER "3" at 701.69,4344.5 h25 r90
SW1: PIN_NUMBER "4" at 792.02,4217.28 h23.62 r90; PIN_NUMBER "3" at 792.02,4433.82 h23.62 r90; PIN_NUMBER "1" at 949.5,4217.28 h23.62 r90; PIN_NUMBER "2" at 949.5,4433.82 h23.62 r90
U2: PIN_NUMBER "1" at 2946.55,3444.53 h15.75 r270; PIN_NUMBER "8" at 3066.63,3444.53 h15.75 r270; PIN_NUMBER "3" at 2946.55,3405.16 h15.75 r270; PIN_NUMBER "5" at 3066.63,3385.47 h15.75 r270; PIN_NUMBER "7" at 3066.63,3424.84 h15.75 r270; PIN_NUMBER "2" at 2946.55,3424.84 h15.75 r270; PIN_NUMBER "4" at 2946.55,3385.47 h15.75 r270; PIN_NUMBER "6" at 3066.63,3405.16 h15.75 r270